# KiCad board BatreeqV2.kicad_pcb
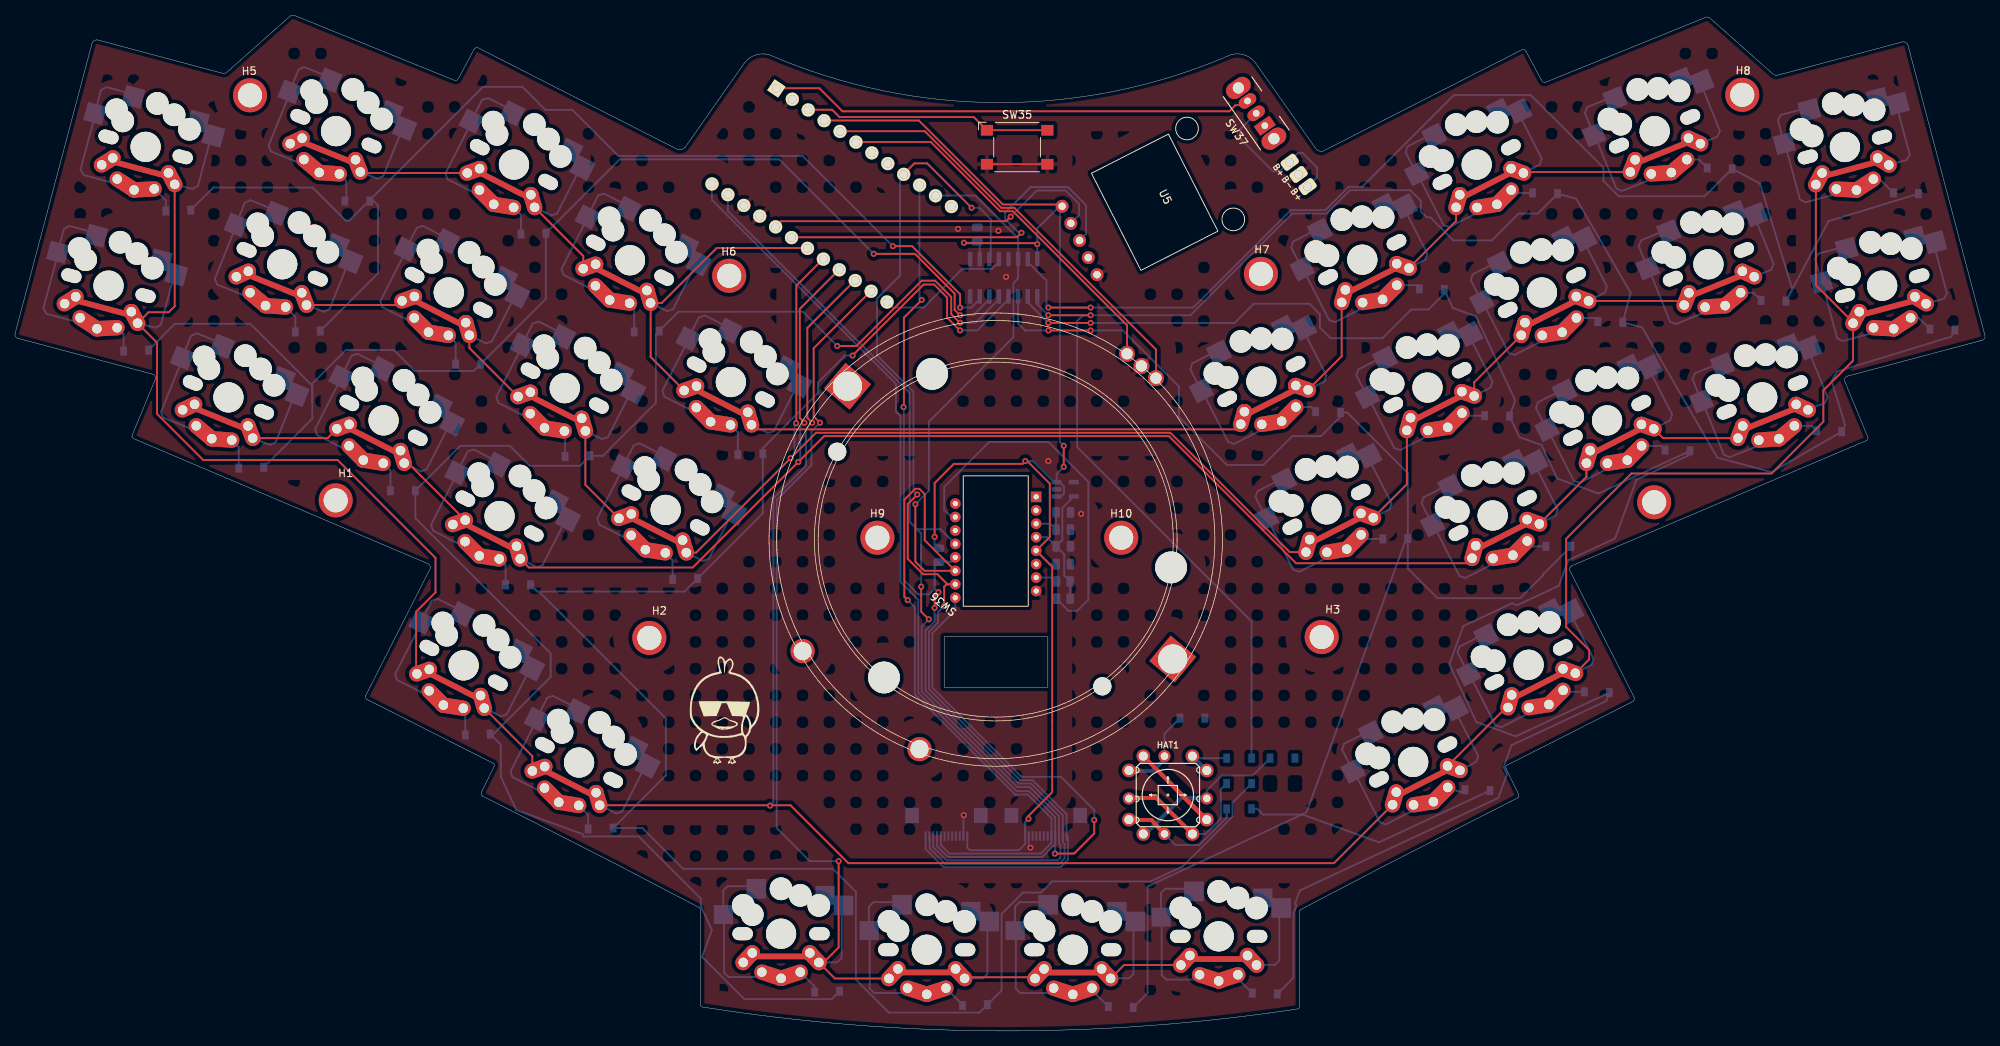
[diagram p0: board, top side]
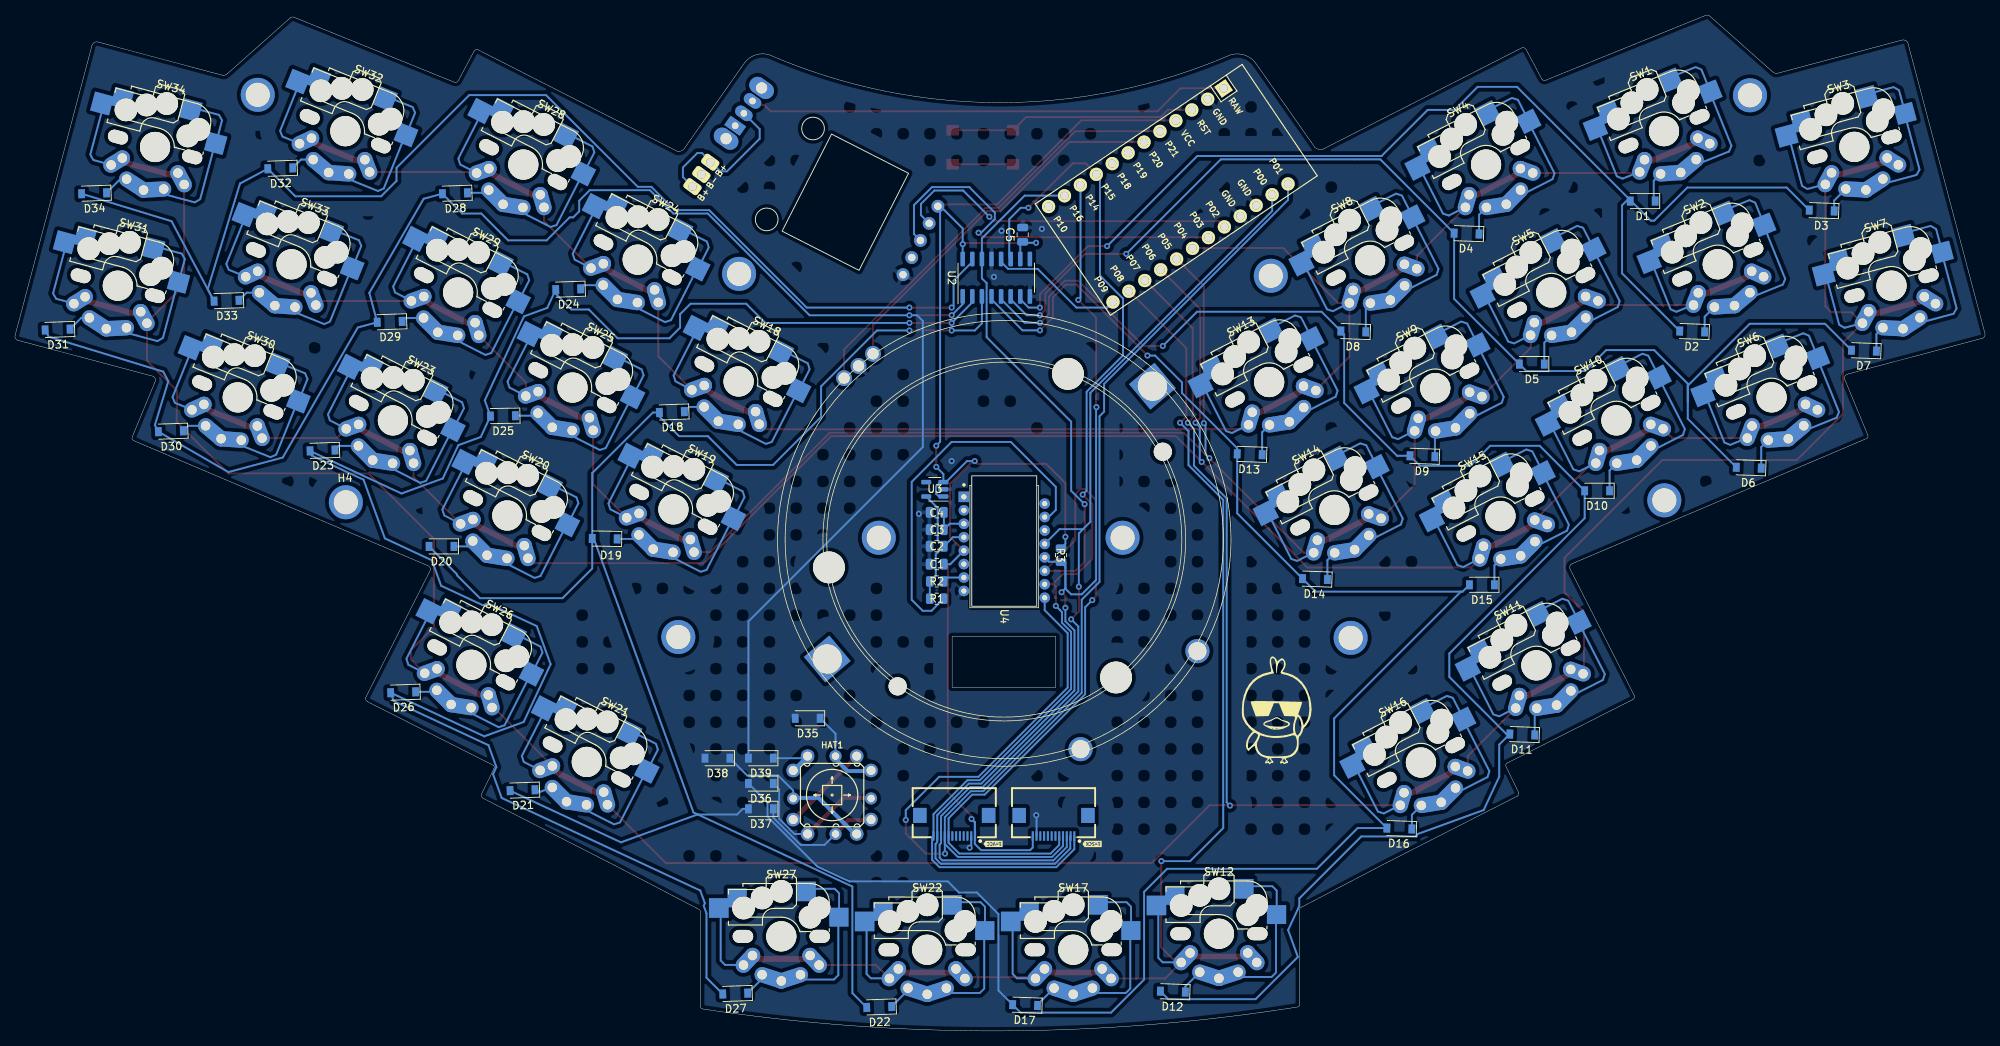
[diagram p1: board, bottom side, seen from below]

Outline 260.69 x 134.45 mm; copper layers: Top, Bottom. Coordinates in mm from the lower left corner of the outline.
Outline path: 0.34,91.68 arc(0.05,91.94) 0.03,92.32 10.19,130.64 arc(10.47,131.05) 10.95,131.15 27.43,126.75 arc(27.79,126.75) 28.1,126.93 36.43,134.32 arc(36.69,134.44) 36.97,134.4 58.15,125.81 arc(58.47,125.83) 58.7,126.07 60.73,129.88 arc(60.94,130.09) 61.24,130.13 87.66,116.67 arc(88.2,116.66) 88.67,116.92 96.55,128.13 arc(98.03,129.17) 99.85,129.18 arc(130.34,122.86) 160.84,129.18 arc(162.66,129.18) 164.14,128.13 172.02,116.92 arc(172.45,116.51) 173.03,116.42 199.45,129.88 arc(199.75,129.84) 199.96,129.62 201.99,125.81 arc(202.22,125.58) 202.54,125.56 223.72,134.15 arc(224,134.19) 224.26,134.07 232.59,126.67 arc(232.9,126.49) 233.26,126.5 249.74,130.89 arc(250.22,130.79) 250.5,130.39 260.66,92.06 arc(260.64,91.68) 260.35,91.42 242.47,86.66 arc(242.15,86.38) 242.12,85.97 245.17,78.6 arc(245.18,78.33) 245,78.14 206.05,61.58 arc(205.75,61.26) 205.8,60.82 214.24,44.18 arc(214.26,43.81) 213.99,43.55 197.42,35.17 arc(197.27,34.96) 197.31,34.71 198.94,31.36 arc(198.98,31.06) 198.79,30.81 181.42,21.96 170.24,16.12 arc(170.03,15.95) 169.97,15.69 169.97,3.16 arc(169.9,2.99) 169.73,2.91 arc(130.33,0) 90.96,3.16 arc(90.79,3.25) 90.72,3.42 90.72,15.94 arc(90.66,16.2) 90.45,16.37 79.27,22.21 61.9,31.07 arc(61.71,31.31) 61.75,31.61 63.38,34.97 arc(63.42,35.22) 63.27,35.42 46.7,43.8 arc(46.43,44.06) 46.45,44.44 54.89,61.08 arc(54.94,61.52) 54.64,61.84 15.69,78.39 arc(15.51,78.59) 15.52,78.86 18.57,86.22 arc(18.54,86.64) 18.22,86.91 0.34,91.68 ; 122.96,52.19 136.68,52.19 136.68,45.49 122.96,45.49 122.96,52.19

## Placement (name value [footprint] x y rotation side)
C1  0.1uF  [C_0805_2012Metric]  138.72 61.77 0 bottom
C2  1uF  [C_0805_2012Metric]  138.72 64.14 0 bottom
C3  4.7uF  [C_0805_2012Metric]  138.72 66.34 0 bottom
C4  0.1uF  [C_0805_2012Metric]  138.72 68.63 180 bottom
C5  0.1uF  [C_0805_2012Metric]  127.35 105.38 90 bottom
D1  1N4148  [D_SOD-123]  45.3 109.83 0 bottom
D2  1N4148  [D_SOD-123]  38.75 92.57 2 bottom
D3  1N4148  [D_SOD-123]  21.62 108.57 2 bottom
D4  1N4148  [D_SOD-123]  68.61 105.53 2 bottom
D5  1N4148  [D_SOD-123]  59.97 88.25 0 bottom
D6  1N4148  [D_SOD-123]  31.27 74.54 2 bottom
D7  1N4148  [D_SOD-123]  16.03 90.03 2 bottom
D8  1N4148  [D_SOD-123]  83.59 92.57 2 bottom
D9  1N4148  [D_SOD-123]  74.45 76.06 2 bottom
D10  1N4148  [D_SOD-123]  51.33 71.49 0 bottom
D11  1N4148  [D_SOD-123]  61.24 39.23 2 bottom
D12  1N4148  [D_SOD-123]  107.47 5.2 2 bottom
D13  1N4148  [D_SOD-123]  97.31 76.32 2 bottom
D14  1N4148  [D_SOD-123]  88.67 59.81 2 bottom
D15  1N4148  [D_SOD-123]  66.57 59.04 0 bottom
D16  1N4148  [D_SOD-123]  77.5 26.79 2 bottom
D17  1N4148  [D_SOD-123]  127.03 3.42 2 bottom
D18  1N4148  [D_SOD-123]  173.76 81.9 358 bottom
D19  1N4148  [D_SOD-123]  182.65 65.14 1 bottom
D20  1N4148  [D_SOD-123]  204.24 64.12 0 bottom
D21  1N4148  [D_SOD-123]  193.52 31.86 358 bottom
D22  1N4148  [D_SOD-123]  146.33 3.16 358 bottom
D23  1N4148  [D_SOD-123]  219.99 76.82 358 bottom
D24  1N4148  [D_SOD-123]  187.48 98.16 358 bottom
D25  1N4148  [D_SOD-123]  196.11 81.4 359 bottom
D26  1N4148  [D_SOD-123]  209.32 44.82 358 bottom
D27  1N4148  [D_SOD-123]  165.38 4.94 358 bottom
D28  1N4148  [D_SOD-123]  202.46 110.86 358 bottom
D29  1N4148  [D_SOD-123]  211.1 93.84 358 bottom
D30  1N4148  [D_SOD-123]  240.06 79.36 358 bottom
D31  1N4148  [D_SOD-123]  255.04 92.83 358 bottom
D32  1N4148  [D_SOD-123]  225.58 114.16 358 bottom
D33  1N4148  [D_SOD-123]  232.69 96.64 358 bottom
D34  1N4148  [D_SOD-123]  250.22 110.86 358 bottom
D35  1N4148  [D_SOD-123]  155.79 41.38 0 bottom
D36  1N4148  [D_SOD-123]  161.98 32.74 0 bottom
D37  1N4148  [D_SOD-123]  161.98 29.39 0 bottom
D38  1N4148  [D_SOD-123]  167.73 36.09 0 bottom
D39  1N4148  [D_SOD-123]  161.98 36.09 0 bottom
G***  -  [LOGO]  93.82 41.12 0 top
G***#2  -  [LOGO]  93.82 41.12 180 bottom
H1  MountingHole_Pad  [MountingHole_M3]  42.44 70.22 1 top
H2  MountingHole_Pad  [MountingHole_M3]  83.95 52.01 1 top
H3  MountingHole_Pad  [MountingHole_M3#2]  172.91 52.23 359 top
H4  MountingHole_Pad  [MountingHole_M3]  216.9 69.97 358 top
H5  MountingHole_Pad  [MountingHole_M3]  31.11 123.83 2 top
H6  MountingHole_Pad  [MountingHole_M3]  94.51 99.94 1 top
H7  MountingHole_Pad  [MountingHole_M3]  164.87 100.19 358 top
H8  MountingHole_Pad  [MountingHole_M3]  228.56 123.89 358 top
H9  MountingHole_Pad  [MountingHole_M3]  114.13 65.27 0 top
H10  MountingHole_Pad  [MountingHole_M3]  146.38 65.27 0 top
HAT1  5Way-Tactile_K1-1506DN-01  [5Way-K1-1506DN-01]  152.56 31.22 0 top
J1  Conn_01x12_Female  [FPC-SMD_FPC05012-09200-.5mm-rev]  136.4 27.16 0 bottom
J2  Conn_01x12_Female  [FPC-SMD_FPC05012-09200-.5mm-rev]  123.26 27.15 0 bottom
kibuzzard-634D1CD5  G***  [kibuzzard-634D1CD5]  118.16 24.74 0 bottom
kibuzzard-634D1CFB  G***  [kibuzzard-634D1CFB]  131.26 24.74 0 bottom
PAD1  -  [bat]  169.86 113.35 306 top
R1  39  [R_0805_2012Metric]  138.72 57.2 180 bottom
R2  10K  [R_0805_2012Metric]  138.72 59.49 0 bottom
R3  10K  [R_0805_2012Metric]  122.27 62.97 90 bottom
SW1  SW_Push  [Kailh_hotswap_MX-CHOC-connected]  42.48 119.08 338 top
SW2  SW_Push  [Kailh_hotswap_MX-CHOC-connected]  35.36 101.46 338 top
SW3  SW_Push  [Kailh_hotswap_MX-CHOC-connected]  17.29 117 345 top
SW4  SW_Push  [Kailh_hotswap_MX-CHOC-connected]  66.03 114.66 333 top
SW5  SW_Push  [Kailh_hotswap_MX-CHOC-connected]  57.4 97.73 333 top
SW6  SW_Push  [Kailh_hotswap_MX-CHOC-connected]  28.25 83.85 338 top
SW7  SW_Push  [Kailh_hotswap_MX-CHOC-connected]  12.38 98.63 345 top
SW8  SW_Push  [Kailh_hotswap_MX-CHOC-connected]  81.38 101.99 333 top
SW9  SW_Push  [Kailh_hotswap_MX-CHOC-connected]  72.75 85.06 333 top
SW10  SW_Push  [Kailh_hotswap_MX-CHOC-connected]  48.78 80.8 333 top
SW11  SW_Push  [Kailh_hotswap_MX-CHOC-connected]  59.37 48.38 333 top
SW12  SW_Push  [Kailh_hotswap_MX-CHOC-connected]  101.37 12.85 0 top
SW13  SW_Push  [Kailh_hotswap_MX-CHOC-connected]  94.73 85.88 333 top
SW14  SW_Push  [Kailh_hotswap_MX-CHOC-connected]  86.1 68.95 333 top
SW15  SW_Push  [Kailh_hotswap_MX-CHOC-connected]  64.12 68.14 333 top
SW16  SW_Push  [Kailh_hotswap_MX-CHOC-connected]  74.64 35.52 333 top
SW17  SW_Push  [Kailh_hotswap_MX-CHOC-connected]  120.65 10.74 0 top
SW18  SW_Push  [Kailh_hotswap_MX-CHOC-connected]  164.93 85.95 27 top
SW19  SW_Push  [Kailh_hotswap_MX-CHOC-connected]  173.56 69.02 27 top
SW20  SW_Push  [Kailh_hotswap_MX-CHOC-connected]  195.53 68.21 27 top
SW21  SW_Push  [Kailh_hotswap_MX-CHOC-connected]  185.02 35.59 27 top
SW22  SW_Push  [Kailh_hotswap_MX-CHOC-connected]  139.98 10.73 0 top
SW23  SW_Push  [Kailh_hotswap_MX-CHOC-connected]  210.67 80.8 27 top
SW24  SW_Push  [Kailh_hotswap_MX-CHOC-connected]  178.28 102.07 27 top
SW25  SW_Push  [Kailh_hotswap_MX-CHOC-connected]  186.91 85.14 27 top
SW26  SW_Push  [Kailh_hotswap_MX-CHOC-connected]  200.29 48.45 27 top
SW27  SW_Push  [Kailh_hotswap_MX-CHOC-connected]  159.28 12.51 0 top
SW28  SW_Push  [Kailh_hotswap_MX-CHOC-connected]  193.42 114.65 27 top
SW29  SW_Push  [Kailh_hotswap_MX-CHOC-connected]  202.05 97.72 27 top
SW30  SW_Push  [Kailh_hotswap_MX-CHOC-connected#2]  231.2 83.84 22 top
SW31  SW_Push  [Kailh_hotswap_MX-CHOC-connected]  247.07 98.62 15 top
SW32  SW_Push  [Kailh_hotswap_MX-CHOC-connected#2]  216.97 119.07 22 top
SW33  SW_Push  [Kailh_hotswap_MX-CHOC-connected#2]  224.08 101.46 22 top
SW34  SW_Push  [Kailh_hotswap_MX-CHOC-connected]  242.14 116.98 15 top
SW35  SW_Push  [SW_SPST_Omron_B3FS-100xP]  132.61 116.96 0 top
SW36  RotaryEncoder  [PERS56v2]  129.78 65.02 140 top
SW37  SW_SPDT  [SW_CuK_OS102011MA1QN1_SPDT_Angled]  165.38 119.8 125 top
U1  ProMicro_r  [ProMicro2]  105.25 110.05 236 bottom
U2  74HC595  [SOIC-16_3.9x9.9mm_P1.27mm]  130.84 99.68 90 bottom
U3  TCR2EF19,LM(CT  [SOT-23-5]  138.97 71.68 0 bottom
U4  -  [PMW3360DM-T2QU]  129.78 65.02 270 bottom
U5  DRV2605L  [Pimoroni Haptic Buzz DRV2605L Driver]  150.14 109.34 297 top

## Library data of the parts
C1 C4 C5 = -: LCSC: C77456; manf#: 0805B104K101CT
C2 = -: LCSC: C366879; manf#: 0805B105K100CT
C3 = -: LCSC: C303940; manf#: 0805X475K250CT
D1-D34 = -: LCSC: C909967
J1 J2 = -: LCSC: C479750
R1 = -: LCSC: C514993; manf#: SG73P2ATTD39R0F
R2 R3 = -: LCSC: C406725; manf#: ARG05BTC1002
SW35 = -: LCSC: C271750
SW37 = -: LCSC: C226259
U2 = -: LCSC: C10092
U3 = -: LCSC: C146366

## Footprints (pads in the part's own frame, mm; a bottom-side part is the same pattern mirrored in y, then rotated)
5Way-K1-1506DN-01
  round 1.8 hole 1.2: 1(-5.15,3.25) 2(3.25,-5.15) 3(-5.15,-3.25) 4(-3.25,5.15) 4(5.15,-3.25) 5(-3.25,-5.15) 6(3.25,5.15) 6(5.15,3.25)
  custom 6.106x3.312 smd far side: 1(-2.54,3.175)
  round 1.6 hole 1: 1(-0.45,5.15) 2(-5.15,-0.45) 3(-0.45,-5.15) 5(5.15,-0.45)
  custom 9.916x6.106 smd: 2(2.032,-3.937)
  custom 6.106x3.312 smd: 3(-1.778,-3.81)
  custom 9.939x9.939 smd: 4(0.95,0.95)
  custom 9.916x6.106 smd far side: 5(3.81,-0.381)
  custom 3.462x3.462 smd far side: 6(4.2,4.2)
bat
  rrect 1.5x2.25 hole 1.092: 1(2,0) 2(0,0) 3(-2,0)
C_0805_2012Metric
  rrect 1x1.45 smd: 1(-0.95,0) 2(0.95,0)
D_SOD-123
  rect 0.9x1.2 smd: 1(-1.65,0) 2(1.65,0)
FPC-SMD_FPC05012-09200-.5mm-rev
  rect 0.28x1.25 smd: 1(-2.75,1.362) 2(-2.25,1.362) 3(-1.75,1.362) 4(-1.25,1.362) 5(-0.75,1.362) 6(-0.25,1.362) 7(0.25,1.362) 8(0.75,1.362) 9(1.25,1.362) 10(1.75,1.362) 11(2.25,1.362) 12(2.75,1.362)
  rect 1.8x2 smd: 13(4.55,-1.362) 14(-4.55,-1.362)
Kailh_hotswap_MX-CHOC-connected
  oval 2.702x1.702 hole 2.702x1.702 unplated: (-5.08,0.004) (5.08,0)
  round 3 hole 3 unplated: (-4.998,3.753) (-3.81,2.54) (0.002,5.953) (2.54,5.08) (5,3.75)
  round 3.988 hole 3.988 unplated: (0.002,0.003)
  oval 2.032x3.8 hole 1.27 rot 136.5: 1(-4.998,-3.797)
  round 2.032 hole 1.27: 1(-3.808,-2.537) 1(3.812,-2.537) 2(0.002,-5.897)
  rrect 7.62x0.759 smd: 1(-1.011,-3.389)
  oval 2.032x3.8 hole 1.27 rot 43.5: 1(5.002,-3.797)
  rect 2.55x2.5 smd far side: 1(5.844,5.083) 2(-7.62,2.54)
  rect 2x0.25 smd far side: 1(7.5,-4.16)
  rect 2.6x2.6 smd far side: 1(8.275,3.75) 2(-3.273,5.953)
  rect 0.25x7 smd far side: 1(8.406,1.29) 2(-7.93,-0.65)
  rrect 1x0.25 smd far side rot 45: 1(8.723,-3.038) 2(-8.343,5.558)
  rrect 1x0.25 smd far side rot 135: 2(-8.247,-4.978)
  rect 0.25x4 smd far side: 2(-8.026,2.73)
  rect 3x0.25 smd far side: 2(-6.6,6.68)
  rect 4x0.25 smd far side: 2(-6.024,-6.1)
  oval 2.032x4.7 hole 1.27 rot 72.1: 2(-2.538,-5.077)
  oval 2.032x4.7 hole 1.27 rot 107.9: 2(2.542,-5.077)
Kailh_hotswap_MX-CHOC-connected#2
  oval 2.702x1.702 hole 2.702x1.702 unplated: (-5.08,0.004) (5.08,0)
  round 3 hole 3 unplated: (-4.998,3.753) (-3.81,2.54) (0.002,5.953) (2.54,5.08) (5,3.75)
  round 3.988 hole 3.988 unplated: (0.002,0.003)
  oval 2.032x3.8 hole 1.27 rot 136.5: 1(-4.998,-3.797)
  round 2.032 hole 1.27: 1(-3.808,-2.537) 1(3.812,-2.537) 2(0.002,-5.897)
  rrect 7.62x0.759 smd: 1(-1.011,-3.389)
  oval 2.032x3.8 hole 1.27 rot 43.5: 1(5.002,-3.797)
  rect 2.55x2.5 smd far side: 1(5.844,5.083) 2(-7.62,2.54)
  rect 2x0.25 smd far side: 1(7.5,-4.16)
  rect 2.6x2.6 smd far side: 1(8.275,3.75) 2(-3.273,5.953)
  rect 0.25x7 smd far side: 1(8.406,1.29) 2(-7.93,-0.65)
  rrect 1x0.25 smd far side rot 45: 1(8.723,-3.038) 2(-8.343,5.558)
  rrect 1x0.25 smd far side rot 135: 2(-8.247,-4.978)
  rect 0.25x4 smd far side: 2(-8.026,2.73)
  rect 3x0.25 smd far side: 2(-6.6,6.68)
  rect 4x0.25 smd far side: 2(-6.024,-6.1)
  oval 2.032x4.7 hole 1.27 rot 72.1: 2(-2.538,-5.077)
  oval 2.032x4.7 hole 1.27 rot 107.9: 2(2.542,-5.077)
MountingHole_M3
  round 4.5 hole 3.2: 1(0,0)
MountingHole_M3#2
  round 4.5 hole 3.2: 1(0,-0.1)
PERS56v2
  round 2.4 hole 2.4 unplated: (-23.29,5.806) (23.544,4.573)
  round 4.2 hole 4.2 unplated: (-20.135,-12.098) (-0.4,23.485) (20.549,-11.39)
  round 3.2 hole 2.4: (-10.094,27.733) (10.092,27.733)
  round 2.1 hole 1.5: A(-2.5,-30) B(2.5,-30) C(0,-30)
  rect 4.4x4.4 hole 3.8x3.9: MP(-28.095,-2.953) MP(28.071,-2.951)
Pimoroni Haptic Buzz DRV2605L Driver
  round 1.7 hole 1: 1(-5.08,-10.4)
  oval 1.7x1.7 hole 1: 2(-2.54,-10.4) 3(0,-10.4) 4(2.54,-10.4) 5(5.08,-10.4)
PMW3360DM-T2QU
  rect 1.4x1.4 hole 0.7: 1(-5.66,-5.35)
  round 1.4 hole 0.7: 2(-3.88,-5.35) 3(-2.1,-5.35) 4(-0.32,-5.35) 5(1.46,-5.35) 6(3.24,-5.35) 7(5.02,-5.35) 8(6.8,-5.35) 9(7.69,5.35) 10(5.91,5.35) 11(4.13,5.35) 12(2.35,5.35) 13(0.57,5.35) 14(-1.21,5.35) 15(-2.99,5.35) 16(-4.77,5.35)
ProMicro2
  round 1.753 hole 1.092: 1(5.588,11.938) 2(5.588,9.398) 3(5.588,6.858) 4(5.588,4.318) 5(5.588,1.778) 6(5.588,-0.762) 7(5.588,-3.302) 8(5.588,-5.842) 9(5.588,-8.382) 10(5.588,-10.922) 11(5.588,-13.462) 12(5.588,-16.002) 13(-9.652,-16.002) 14(-9.652,-13.462) 15(-9.652,-10.922) 16(-9.652,-8.382) 17(-9.652,-5.842) 18(-9.652,-3.302) 19(-9.652,-0.762) 20(-9.652,1.778) 21(-9.652,4.318) 22(-9.652,6.858) 23(-9.652,9.398)
  rect 1.753x1.753 hole 1.092: 24(-9.652,11.938)
R_0805_2012Metric
  rrect 1.025x1.4 smd: 1(-0.912,0) 2(0.912,0)
SOIC-16_3.9x9.9mm_P1.27mm
  rrect 1.95x0.6 smd: 1(-2.475,4.445) 2(-2.475,3.175) 3(-2.475,1.905) 4(-2.475,0.635) 5(-2.475,-0.635) 6(-2.475,-1.905) 7(-2.475,-3.175) 8(-2.475,-4.445) 9(2.475,-4.445) 10(2.475,-3.175) 11(2.475,-1.905) 12(2.475,-0.635) 13(2.475,0.635) 14(2.475,1.905) 15(2.475,3.175) 16(2.475,4.445)
SOT-23-5
  rrect 1.325x0.6 smd: 1(-1.137,0.95) 2(-1.137,0) 3(-1.137,-0.95) 4(1.137,-0.95) 5(1.137,0.95)
SW_CuK_OS102011MA1QN1_SPDT_Angled
  oval 2.2x3.5 hole 1.5: (-2.1,0) (6.1,0)
  rect 1.5x2.5 hole 0.9: 1(0,0)
  oval 1.5x2.5 hole 0.9: 2(2,0) 3(4,0)
SW_SPST_Omron_B3FS-100xP
  rect 1.6x1.4 smd: 1(-4,2.25) 1(4,2.25) 2(-4,-2.25) 2(4,-2.25)

## Nets
GND: C1.2 C2.2 C3.2 C4.1 C5.2 J1.2 J2.11 PAD1.2 SW35.2 SW36.C U1.3 U1.4 U1.23 U2.8 U2.13 U3.2 U4.8 U5.5
VCC: C1.1 C5.1 J1.1 J2.12 R3.2 U1.21 U2.10 U2.16 U3.1 U3.3 U4.5 U5.1
VDD: C2.1 R1.1 R2.2 U3.5 U4.4
bat+: PAD1.1 PAD1.3 SW37.2
col0: D1.2 D2.2 D3.2 U2.7
col1: D4.2 D5.2 D6.2 D7.2 U2.6
col2: D8.2 D9.2 D10.2 D11.2 D12.2 D35.2 U2.5
col3: D13.2 D14.2 D15.2 D16.2 D17.2 D36.2 U2.4
col4: D18.2 D19.2 D20.2 D21.2 D22.2 D37.2 U2.3
col5: D23.2 D24.2 D25.2 D26.2 D27.2 D38.2 U2.2
col6: D28.2 D29.2 D30.2 D31.2 D39.2 U2.1
col7: D32.2 D33.2 D34.2 U2.15
EncL: SW36.A U1.20
EncR: SW36.B U1.19
MISO: J1.11 J2.2 R3.1 U1.15 U4.12
MOSI: J1.8 J2.5 U1.14 U2.14 U4.11
MOTION: J1.9 J2.4 U1.1 U4.9
NCS: J1.10 J2.3 U1.2 U4.13
RAW: SW37.3 U1.24
RESET: SW35.1 U1.22
row_0: SW1.1 SW4.1 SW8.1 SW13.1 SW18.1 SW24.1 SW28.1 SW32.1 U1.7
row_1: SW2.1 SW5.1 SW9.1 SW14.1 SW19.1 SW25.1 SW29.1 SW33.1 U1.8
row_2: SW6.1 SW10.1 SW15.1 SW20.1 SW23.1 SW30.1 U1.9
row_3: SW3.1 SW7.1 SW11.1 SW16.1 SW21.1 SW26.1 SW31.1 SW34.1 U1.10
row_4: SW12.1 SW17.1 SW22.1 SW27.1 U1.11
row_5: HAT1.4 U1.13
SCL: U1.6 U5.3
SCLK: J1.12 J2.1 U1.16 U2.11 U4.10
SDA: U1.5 U5.2
SR_CS: U1.12 U2.12
Net-(C3-Pad1): C3.1 C4.2 U4.3
Net-(D1-Pad1): D1.1 SW1.2
Net-(D2-Pad1): D2.1 SW2.2
Net-(D3-Pad1): D3.1 SW3.2
Net-(D4-Pad1): D4.1 SW4.2
Net-(D5-Pad1): D5.1 SW5.2
Net-(D6-Pad1): D6.1 SW6.2
Net-(D7-Pad1): D7.1 SW7.2
Net-(D8-Pad1): D8.1 SW8.2
Net-(D9-Pad1): D9.1 SW9.2
Net-(D10-Pad1): D10.1 SW10.2
Net-(D11-Pad1): D11.1 SW11.2
Net-(D12-Pad1): D12.1 SW12.2
Net-(D13-Pad1): D13.1 SW13.2
Net-(D14-Pad1): D14.1 SW14.2
Net-(D15-Pad1): D15.1 SW15.2
Net-(D16-Pad1): D16.1 SW16.2
Net-(D17-Pad1): D17.1 SW17.2
Net-(D18-Pad1): D18.1 SW18.2
Net-(D19-Pad1): D19.1 SW19.2
Net-(D20-Pad1): D20.1 SW20.2
Net-(D21-Pad1): D21.1 SW21.2
Net-(D22-Pad1): D22.1 SW22.2
Net-(D23-Pad1): D23.1 SW23.2
Net-(D24-Pad1): D24.1 SW24.2
Net-(D25-Pad1): D25.1 SW25.2
Net-(D26-Pad1): D26.1 SW26.2
Net-(D27-Pad1): D27.1 SW27.2
Net-(D28-Pad1): D28.1 SW28.2
Net-(D29-Pad1): D29.1 SW29.2
Net-(D30-Pad1): D30.1 SW30.2
Net-(D31-Pad1): D31.1 SW31.2
Net-(D32-Pad1): D32.1 SW32.2
Net-(D33-Pad1): D33.1 SW33.2
Net-(D34-Pad1): D34.1 SW34.2
Net-(D35-Pad1): D35.1 HAT1.1
Net-(D36-Pad1): D36.1 HAT1.2
Net-(D37-Pad1): D37.1 HAT1.3
Net-(D38-Pad1): D38.1 HAT1.5
Net-(D39-Pad1): D39.1 HAT1.6
Net-(R1-Pad2): R1.2 U4.15
Net-(R2-Pad1): R2.1 U4.7

Pads without a net: H1 1; H2 1; H3 1; H4 1; H5 1; H6 1; H7 1; H8 1; H9 1; H10 1; J1 3 4 5 6 7 13 14; J2 6 7 8 9 10 13 14; SW36 MP; SW37 1; U1 17 18; U2 9; U3 4; U4 1 2 6 14 16; U5 4

## Via types
v1: diameter 0.8, hole 0.4, Top to Bottom, 53 vias

## Routing (per net, layer and track width the routed paths; a pad name or vN(x,y) marks a point on that pad's centre or on a via; arc(x,y) is an arc through that point)
GND: length 12.4
  Top w0.25: SW35.2 SW35.2
  Bottom w0.25: v1(125.54,28.55) 125.51,28.51 J2.11 ; 134.15,25.8 134.15,24.46 v1(134.37,24.25)
  vias: v1(124.81,106.15) v1(130.14,105.89) v1(131.16,99.8) v1(136.74,75.41) v1(141.08,68.44)
VCC: length 197.3
  Top w0.25: v1(125.57,104.31) 125.62,104.26 135.15,104.26 v1(135.28,104.13) ; v1(138.78,74.65) v1(138.78,77.44) ; v1(121.69,65.39) 121.69,72.51 124.23,75.05 133.33,75.05 v1(133.7,75.41) 133.95,75.41 136.93,72.43 136.93,65.36 U4.5 137.25,61.44 137.25,41.12 137.25,41.12 137.25,31.59 134.11,28.46 v1(134.11,28.06) ; U5.1 138.33,109.38 130.72,109.38 119.6,120.49 107.05,120.49
  Bottom w0.25: v1(121.69,65.39) 121.69,64.45 R3.2 ; U3.1 138.43,70.73 138.82,71.12 138.82,72.02 138.22,72.63 U3.3 ; J1.1 133.65,27.59 v1(134.11,28.06) 133.68,27.63 133.68,24.75 132.85,23.92 126.36,23.92 126.01,24.28 J2.12 ; U4.5 136.92,61.77 C1.1 ; v1(125.57,104.31) 127.4,104.31 127.66,104.05 U2.10 ; v1(138.78,74.65) 137.83,73.71 U3.3 ; U3.3 137.5,72.63 134.71,75.41 v1(133.7,75.41) ; v1(138.78,77.44) 138.27,77.95 138.27,108.84 U5.1 138.21,109.14 135.28,106.21 v1(135.28,104.13) U2.16
VDD: length 18.4
  Bottom w0.25: R1.1 R2.2 138.84,60.27 138.84,63.06 C2.1 ; U4.4 136.56,65.34 C2.1 ; U3.5 138.59,69.21 138.59,64.96 C2.1
bat+: length 20
  Bottom w0.25: PAD1.3 168.68,115.1 169.76,116.18 170.4,116.18 172.3,114.27 172.3,113 PAD1.1 ; SW37.2 162.14,119.35 162.14,118.08 166.46,113.77 167.35,113.77 167.86,114.27
col0: length 149.8
  Top w0.25: v1(116.17,103.86) 118.71,103.86 125.06,97.51 v1(125.06,95.73)
  Bottom w0.25: 47.14,110.16 61.93,124.94 67.15,124.94 70.2,121.89 73.75,121.89 79.85,115.8 104.23,115.8 v1(116.17,103.86) ; 47.14,110.16 48.03,109.26 48.03,100.26 D2.2 ; 47.14,110.16 44.22,107.24 43.78,107.24 39.4,111.62 26.25,111.62 D3.2 ; v1(125.06,95.73) 126.56,95.73 127.66,96.83 U2.7
col1: length 162.7
  Top w0.25: v1(125.06,94.72) 125.05,94.72 124.34,95.43 124.34,97.6 119.09,102.84 v1(113.63,102.84)
  Bottom w0.25: D6.2 39.34,81.02 39.34,83.23 ; 39.34,83.23 39.34,85.66 43.78,90.1 50.13,90.1 52.91,87.33 60.69,87.33 D5.2 70.25,96.89 D4.2 80.02,115.35 101.13,115.35 v1(113.63,102.84) ; 39.34,83.23 39.34,85.39 31.14,93.59 21.17,93.59 D7.2 ; v1(125.06,94.72) 126.81,94.72 128.93,96.83 U2.6
col2: length 217.4
  Top w0.25: v1(125.06,93.72) 125.03,93.72 123.89,94.87 123.89,97.16 121.76,99.29 119.98,99.29 111.34,90.65 v1(108.8,90.65)
  Bottom w0.25: U2.5 130.2,96.83 127.08,93.72 v1(125.06,93.72) ; v1(108.8,90.65) 104.28,95.18 87.79,95.18 D8.2 84.81,92.19 84.81,83.12 77.75,76.06 77.69,76.12 D9.2 74.77,74.79 68.13,74.79 65.48,77.44 58.93,77.44 D10.2 52.98,67.85 70.89,49.95 70.89,46.85 63.33,39.29 D11.2 64.29,37.89 64.29,33.64 66.35,29.23 75.09,26.05 75.24,25.73 82.54,25.73 90.75,17.52 90.75,16.51 92.22,13.35 90.93,9.8 96.53,4.2 108.06,4.2 D12.2
col3: length 254.2
  Top w0.25: v1(125.06,92.72) 125.03,92.72 123.35,94.41 123.35,97.07 121.63,98.78 120.23,98.78 v1(110.84,89.38)
  Bottom w0.25: D15.2 69.13,58.14 69.35,58.14 ; D36.2 161.11,30.21 161.11,28.36 154.51,21.77 150.26,19.79 137.25,19.79 135.78,18.31 133.39,18.31 130.55,15.47 130.55,5.35 D17.2 127.62,2.42 115.65,2.42 111.28,6.79 111.28,18.4 108.23,21.45 88.42,21.45 83.03,26.84 D16.2 86.13,33.83 86.13,41.36 69.35,58.14 ; 69.35,58.14 88.6,58.14 98.96,68.5 D13.2 98.96,77.12 106.26,84.43 106.26,85.83 109.82,89.38 v1(110.84,89.38) ; U2.4 131.47,96.83 127.35,92.72 v1(125.06,92.72)
col4: length 223.2
  Top w0.25: 142.33,92.68 142.32,92.7 v1(136.74,92.7)
  Bottom w0.25: D19.2 184.3,73.82 176.28,81.85 D18.2 175.41,81.31 172.81,78.71 169,78.71 165.19,74.9 160.37,74.9 154.02,81.25 154.02,85.3 146.62,92.7 v1(142.33,92.7) ; D19.2 184.3,61.2 188.24,57.27 199.16,57.27 202.21,60.31 202.21,60.44 D20.2 ; D19.2 184.05,65.05 170.9,28.91 170.34,28.65 ; 170.34,28.65 180.49,24.96 D21.2 ; 170.34,28.65 170.31,28.64 ; 170.31,28.64 149.88,19.11 149.88,5 D22.2 ; 170.31,28.64 165.13,28.64 164.38,29.39 D37.2 ; U2.3 132.74,93.64 133.68,92.7 v1(136.74,92.7)
col5: length 255.1
  Top w0.25: v1(136.74,93.7) 142.59,93.7
  Bottom w0.25: D27.2 169.18,7.04 169.18,15.55 169.55,16.56 169.39,16.89 170.01,18.58 196.28,30.83 197.42,33.97 196.98,34.92 198.03,37.81 210.57,43.66 D26.2 198.58,38.99 193.37,40.88 189.81,48.53 191.64,53.58 198.09,56.58 198.77,56.34 204.29,58.92 205.52,62.29 211.73,65.19 214.56,72.95 221.41,76.15 D23.2 209.53,71.12 204.07,73.11 202.02,77.52 199.06,78.6 D25.2 198.52,83.45 193.34,94.56 190.25,95.68 D24.2 189.13,97.57 187.04,95.48 184.75,95.48 180.94,91.67 174.08,91.67 172.67,93.08 172.67,94.85 171.29,96.24 163.92,96.24 161.38,93.7 v1(142.33,93.7) ; U2.2 134.01,96.43 136.74,93.7 v1(136.74,93.7)
col6: length 240
  Top w0.25: v1(136.74,94.72) v1(142.33,94.72)
  Bottom w0.25: U2.1 135.28,96.17 136.74,94.72 v1(136.74,94.72) ; D39.2 163.63,54.2 140.55,77.27 140.55,93.95 141.32,94.72 v1(142.33,94.72) 155.54,94.72 169,108.18 173.57,108.18 176.66,111.27 184.63,111.27 186.03,109.87 186.03,108.46 186.82,107.67 187.29,107.67 190.34,104.62 195.42,104.62 198.97,108.18 201.51,108.18 204.11,110.78 D28.2 206.6,110.14 213.79,97.68 D29.2 215.32,93.1 225.26,75.88 232.43,73.95 D30.2 242.17,80.18 240.39,85.99 241.07,87.26 256.22,91.89 D31.2
col7: length 163
  Top w0.25: v1(136.74,95.73) 142.59,95.73
  Bottom w0.25: v1(142.33,95.73) 155.92,95.73 168.82,108.63 173.39,108.63 176.48,111.72 178.27,111.72 190.41,123.85 200.57,123.85 210.2,114.23 210.2,112.49 212.22,110.46 223.59,110.46 D32.2 230.9,112.15 235.18,98.16 D33.2 239.97,107.17 D34.2 ; v1(136.74,95.73) 136.49,95.99 136.49,99.3 134.01,101.78 U2.15
EncL: length 57.6
  Top w0.25: 109.16,119.07 120.39,119.07 130.53,108.93 132.24,108.93 150.98,90.19 SW36.A
EncR: length 49.7
  Top w0.25: 111.26,117.65 121.17,117.65 130.34,108.48 132.05,108.48 147.15,93.39 SW36.B
MISO: length 134.6
  Top w0.25: v1(121.69,56) 121.69,57.55 v1(122.2,58.06) ; v1(119.98,96.75) 117.63,94.4 117.63,82.6 v1(117.58,82.56)
  Bottom w0.25: R3.1 121.69,61.48 121.69,58.56 v1(122.2,58.06) ; J2.2 121.04,25.76 121.04,24.16 123.08,22.12 138.17,22.12 138.88,22.83 138.88,24.74 138.65,24.97 J1.11 138.65,28.55 134.47,32.73 132.82,32.73 120.49,45.06 120.49,53.01 121.69,54.21 v1(121.69,56) ; U4.12 123.85,62.09 121.84,62.09 121.69,61.94 121.69,58.54 120.94,57.78 119.53,57.78 117.63,59.68 117.63,82.51 v1(117.58,82.56) ; 119.69,111.97 119.69,97.04 v1(119.98,96.75)
MOSI: length 154.2
  Top w0.25: v1(119.15,69.71) 119.15,62.09 120.35,60.89 U4.11 120.38,64.94 120.38,71.03 119.67,71.74 119.13,71.74 117.69,70.3 117.69,57.46 v1(118.14,57.01)
  Bottom w0.25: v1(119.15,69.71) 120.93,71.49 120.93,80.63 132.12,91.82 132.12,98.98 132.74,99.6 132.74,104.89 127.08,110.55 121.79,110.55 ; v1(118.14,57.01) 119.08,56.07 119.08,44.56 132.37,31.27 134.02,31.27 137.15,28.14 J1.8 137.15,24.88 135.74,23.47 123.64,23.47 122.51,24.6 J2.5
MOTION: length 178.5
  Top w0.25: v1(137.61,23.47) 140.15,23.47 142.82,26.14 v1(142.82,27.91)
  Bottom w0.25: J2.4 122.01,24.47 123.45,23.02 135.92,23.02 137.65,24.74 J1.9 ; U4.9 124.43,55.68 121.39,52.63 121.39,45.43 133.19,33.63 138.39,33.63 142.82,29.2 v1(142.82,27.91) ; J1.9 137.65,28.28 134.2,31.72 132.55,31.72 119.53,44.75 119.53,57.07 117.18,59.42 117.18,81.35 116.57,81.96 116.57,85.63 92.22,109.97 92.22,112.14 ; J1.9 137.65,23.51 v1(137.61,23.47)
NCS: length 132.8
  Top w0.25: v1(120.93,54.47) 119.91,55.49 v1(119.91,58.79)
  Bottom w0.25: 119.35,66.41 118.39,67.37 118.39,84.44 94.33,108.5 94.33,110.72 ; 119.35,66.41 122.47,66.41 U4.13 ; 119.35,66.41 119.91,65.84 v1(119.91,58.79) ; v1(120.93,54.47) 119.98,53.52 119.98,44.93 132.63,32.28 134.28,32.28 138.15,28.41 J1.10 138.15,24.83 138.33,24.65 138.33,22.92 137.98,22.57 123.27,22.57 121.51,24.33 J2.3
RAW: length 64.2
  Top w0.25: SW37.3 162.54,122.53 161.51,122.53 160.69,121.71 109.5,121.71 106.45,124.76 100.74,124.76
RESET: length 32.8
  Top w0.25: 104.95,121.92 108.14,121.92 109.11,120.94 126.88,120.94 SW35.1 SW35.1
row_0: length 165.7
  Top w0.25: SW4.1 75.2,102.57 SW8.1 ; SW28.1 190.69,107.18 SW24.1 ; SW24.1 175.55,89.28 SW18.1 ; SW18.1 161.52,79.61 98.07,79.61 SW13.1 ; SW13.1 84.11,89.2 SW8.1 85.58,96.34 92.86,103.62 104.86,103.62 ; SW28.1 199.74,113.68 SW32.1 ; SW1.1 45.84,113.54 SW4.1
row_1: length 197.3
  Top w0.25: SW19.1 168.67,63.37 152.88,79.16 106,79.16 90.13,63.29 SW14.1 ; SW25.1 193.09,85.85 SW29.1 ; SW9.1 60.14,90.39 SW5.1 ; SW33.1 220.32,96.61 SW29.1 ; SW19.1 184.18,72.35 SW25.1 ; SW9.1 75.48,72.27 SW14.1 ; SW2.1 50.68,96.07 SW5.1 ; v1(103.38,80.42) 103.4,80.45 103.4,98.63 106.96,102.2
  Bottom w0.25: v1(103.38,80.42) 103.15,80.2 103.15,76.32 v1(102.64,75.81)
row_2: length 214.2
  Top w0.25: SW23.1 207.94,73.32 SW20.1 ; SW15.1 52.04,75.15 SW10.1 ; SW20.1 192.14,61.89 169.51,61.89 152.69,78.71 107.07,78.71 89.69,61.33 68.01,61.33 SW15.1 ; SW23.1 218.09,78.45 SW30.1 ; SW10.1 41.37,78.45 SW6.1 ; v1(104.47,80.49) 103.85,81.11 103.85,95.56 109.07,100.78
  Bottom w0.25: v1(103.66,75.3) 103.91,75.55 103.91,79.93 v1(104.47,80.49)
row_3: length 399.7
  Top w0.25: SW21.1 197.3,42.8 SW26.1 ; v1(105.49,80.49) 104.85,81.13 104.85,93.03 111.18,99.35 ; SW16.1 68.46,36.36 SW11.1 ; SW3.1 21.14,95.91 20.35,95.11 17.68,95.11 SW7.1 18.8,91.09 18.8,81.67 24.92,75.55 42.7,75.55 55.65,62.6 55.65,58.05 53.08,55.47 53.08,47.38 SW11.1 ; SW26.1 208.31,49.17 208.31,50.41 205.26,53.46 205.26,65.14 213.89,73.78 232.44,73.78 239.29,80.63 239.29,84.79 243.22,88.71 SW31.1 243.22,93.78 238.3,98.7 SW34.1 ; SW16.1 102.62,29.87 110.29,22.2 174.55,22.2 SW21.1
  Bottom w0.25: v1(105.49,80.49) 104.67,79.67 104.67,74.79 100.36,70.47 100.36,30.26 v1(99.91,29.82)
row_4: length 131.5
  Top w0.25: SW27.1 146.76,8.72 SW22.1 ; 113.28,97.93 105.69,90.34 105.69,81.32 v1(106.52,80.49) ; SW17.1 125.82,7.1 134.81,7.1 SW22.1 ; v1(108.99,22.47) 108.99,11.04 107.01,9.06 SW12.1 108.49,6.94 SW17.1
  Bottom w0.25: v1(108.99,22.47) 105.18,22.47 100.8,26.84 100.8,70.29 105.4,74.88 105.4,79.37 v1(106.52,80.49)
SCL: length 52.6
  Top w0.25: 102.75,105.04 132.59,105.04 v1(133.19,105.64)
  Bottom w0.25: U5.3 141.72,105.46 141.72,109.3 139.34,111.68 134.4,111.68 131.03,108.3 131.03,107.46 132.85,105.64 v1(133.19,105.64)
SCLK: length 152.2
  Top w0.25: 117.58,113.39 119,114.81 120.71,114.81 v1(126.58,108.94) ; v1(122.96,56.25) 122.96,58.79 123.28,59.11 U4.10 123.4,59.11 122.07,60.44 120.17,60.44 118.14,62.47 118.14,69.72 v1(119.4,70.99)
  Bottom w0.25: v1(122.96,56.25) 122.42,55.7 122.42,55.7 122.14,55.42 122.14,54.02 120.94,52.82 120.94,45.25 133,33.18 134.65,33.18 139.15,28.68 J1.12 139.33,25.62 139.33,22.65 138.35,21.67 122.89,21.67 120.51,24.06 J2.1 ; v1(119.4,70.99) 118.89,71.5 118.89,84.58 114.07,89.4 114.07,96.93 117.12,99.98 117.12,112.93 117.58,113.39 ; 129.12,102.35 129.12,107.42 127.6,108.94 v1(126.58,108.94)
SDA: length 45.9
  Top w0.25: 100.65,106.46 101.35,107.16 131.16,107.16 v1(131.75,107.76)
  Bottom w0.25: U5.2 140.81,107.97 140.81,109.45 139.03,111.23 135.22,111.23 v1(131.75,107.76)
SR_CS: length 18
  Bottom w0.25: 115.39,96.51 116.17,95.73 120.23,95.73 125.36,100.86 129.27,100.86 130.2,101.78 U2.12
Net-(C3-Pad1): length 5.2
  Bottom w0.25: U4.3 136.99,67.12 C3.1 C4.2
Net-(D1-Pad1): length 3.8
  Bottom w0.25: 43.84,110.04 43.84,112.52 SW1.2
Net-(D2-Pad1): length 3.8
  Bottom w0.25: SW2.2 37.11,94.52 D2.1
Net-(D3-Pad1): length 3.6
  Bottom w0.25: D3.1 19.97,109.9 SW3.2
Net-(D4-Pad1): length 3.9
  Bottom w0.25: SW4.2 66.96,108.01 D4.1
Net-(D5-Pad1): length 4.2
  Bottom w0.25: D5.1 58.32,91.09 SW5.2
Net-(D6-Pad1): length 4.1
  Bottom w0.25: SW6.2 29.62,77.27 D6.1
Net-(D7-Pad1): length 3.4
  Bottom w0.25: D7.1 14.38,92.21 SW7.2
Net-(D8-Pad1): length 4.1
  Bottom w0.25: SW8.2 81.94,95.71 D8.1
Net-(D9-Pad1): length 3.4
  Bottom w0.25: D9.1 72.8,79.3 SW9.2
Net-(D10-Pad1): length 4
  Bottom w0.25: SW10.2 49.68,74.18 D10.1
Net-(D11-Pad1): length 3.6
  Bottom w0.25: SW11.2 59.59,42.44 D11.1
Net-(D12-Pad1): length 3.4
  Bottom w0.25: D12.1 105.82,5.87 SW12.2
Net-(D13-Pad1): length 4.3
  Bottom w0.25: SW13.2 95.66,79.23 D13.1
Net-(D14-Pad1): length 3.9
  Bottom w0.25: D14.1 87.02,62.31 SW14.2
Net-(D15-Pad1): length 3.8
  Bottom w0.25: SW15.2 64.92,61.62 D15.1
Net-(D16-Pad1): length 3.6
  Bottom w0.25: SW16.2 75.85,28.6 D16.1
Net-(D17-Pad1): length 3.2
  Bottom w0.25: SW17.2 125.38,3.48 D17.1
Net-(D18-Pad1): length 2.9
  Bottom w0.25: D18.1 171.49,82.58 SW18.2
Net-(D19-Pad1): length 3.1
  Bottom w0.25: D19.1 178.67,65.11 SW19.2
Net-(D20-Pad1): length 2.8
  Bottom w0.25: SW20.2 200.82,64.12 D20.1
Net-(D21-Pad1): length 2.5
  Bottom w0.25: SW21.2 191.24,31.62 D21.1
Net-(D22-Pad1): length 3.3
  Bottom w0.25: D22.1 142.52,5.38 SW22.2
Net-(D23-Pad1): length 3.3
  Bottom w0.25: D23.1 217.8,77.43 SW23.2
Net-(D24-Pad1): length 3.2
  Bottom w0.25: D24.1 185.35,98.7 SW24.2
Net-(D25-Pad1): length 3.1
  Bottom w0.25: D25.1 191.82,81.42 SW25.2
Net-(D26-Pad1): length 2.9
  Bottom w0.25: D26.1 205.06,44.88 SW26.2
Net-(D27-Pad1): length 3.2
  Bottom w0.25: SW27.2 161.82,6.91 D27.1
Net-(D28-Pad1): length 3
  Bottom w0.25: D28.1 198.36,110.92 SW28.2
Net-(D29-Pad1): length 3
  Bottom w0.25: SW29.2 209,94.36 D29.1
Net-(D30-Pad1): length 3.2
  Bottom w0.25: SW30.2 237.74,80.09 D30.1
Net-(D31-Pad1): length 3.2
  Bottom w0.25: SW31.2 251.9,94.38 D31.1
Net-(D32-Pad1): length 3.2
  Bottom w0.25: D32.1 222.83,115.32 SW32.2
Net-(D33-Pad1): length 3.1
  Bottom w0.25: D33.1 230.03,97.7 SW33.2
Net-(D34-Pad1): length 3.4
  Bottom w0.25: D34.1 246.75,112.74 SW34.2
Net-(D35-Pad1): length 5.9
  Bottom w0.25: HAT1.1 152.11,39.34 D35.1
Net-(D36-Pad1): length 9.6
  Bottom w0.25: D36.1 159.56,31.97 159.56,28.08 157.54,26.07 HAT1.2
Net-(D37-Pad1): length 11.5
  Bottom w0.25: HAT1.3 153.56,24.61 156.72,24.61 160.33,28.22 D37.1
Net-(D38-Pad1): length 11.2
  Bottom w0.25: D38.1 163.8,33.81 159.71,33.81 157.71,31.81 HAT1.5
Net-(D39-Pad1): length 4.6
  Bottom w0.25: HAT1.6 156.08,36.09 D39.1
Net-(R1-Pad2): length 49.7
  Bottom w0.25: U4.15 123.9,68.01 122.96,68.95 122.96,72 128.92,77.95 136.74,77.95 142.03,72.67 142.03,57.06 140.57,55.6 139.4,55.6 R1.2
Net-(R2-Pad1): length 2.9
  Bottom w0.25: U4.7 137.29,60 R2.1

## Copper pours and planes (outline as drawn; the poured copper is in the pictures)
GND on Top, Bottom: 262.92,-25.54 -5.82,-26.05 -5.82,142.1 263.42,142.1
